# Altium PCB PCB.PcbDoc (continued)
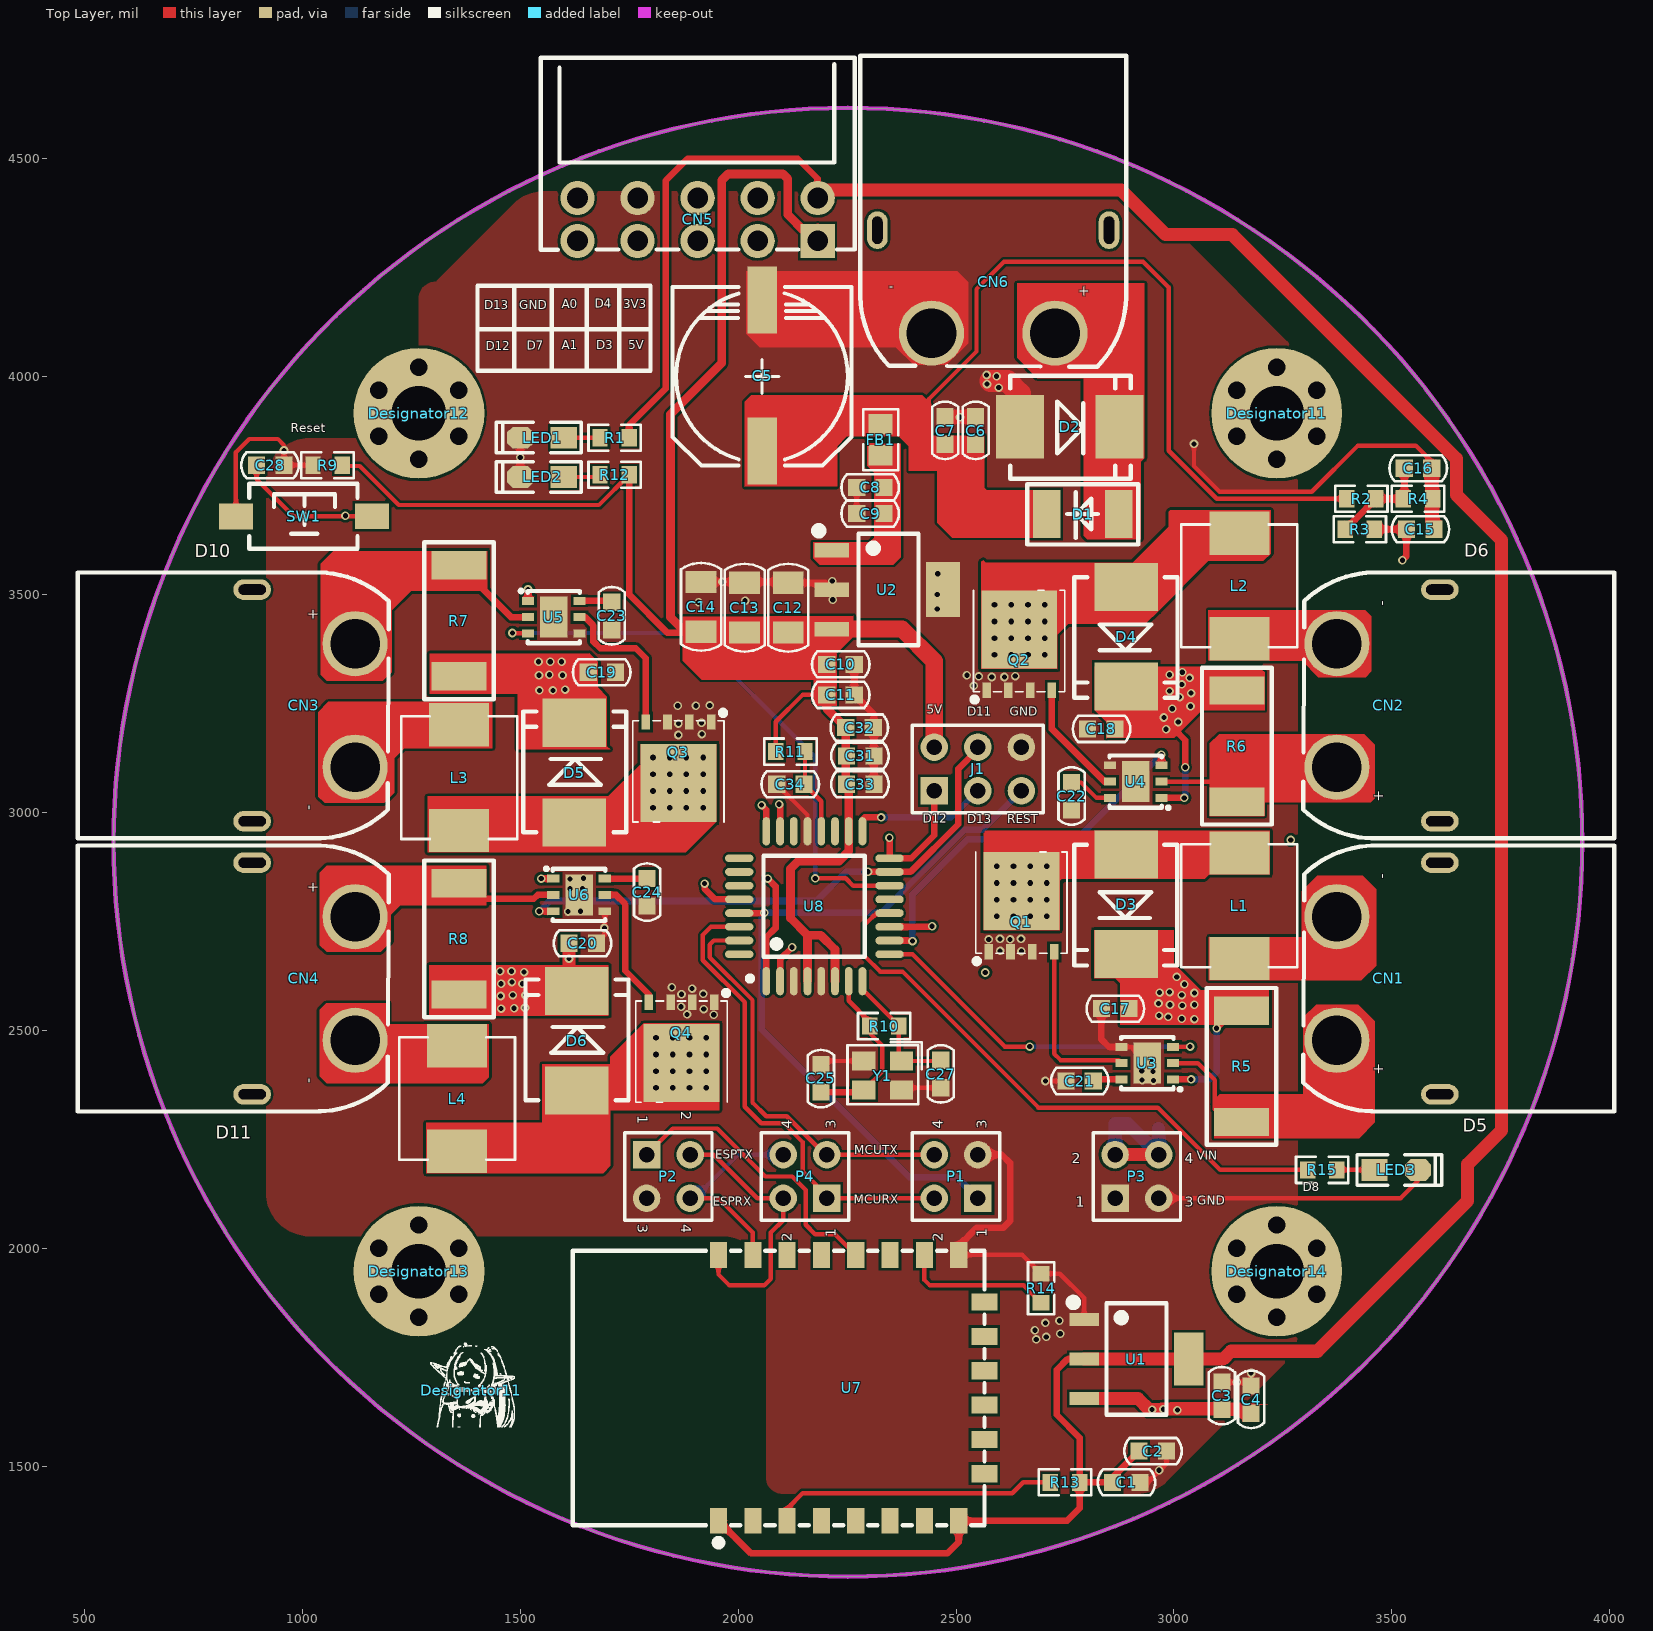
[diagram p0: Top Layer view]
## Components (designator, comment, footprint, x,y, rotation, side; value= is the part's Value field where it differs from the comment) (continued)
R10 "1M" R_0603 2335,2510 r180 top
R11 "1K" R_0603 2120,3140 r180 top
R12 "5K" R_0603 1716.54,3775 r0 top
R13 "1K" R_0603 2750,1463.15 r0 top
R14 "1K" R_0603 2695,1908.46 r270 top
R15 "1K" R_0603 3340,2180 r180 top
SW1 "3x6x5" "TSW SMD-3*6*2.5" 1005,3680 r0 top
U1 "AMS1117-3.3" SOT223_L 2914,1746 r270 top
U2 "DIA7875B50TA3" SOT223_N 2345,3511.5 r270 top
U3 "-" TDFN-6_L3.0-W3.0-P0.95-BL-EP 2939,2425 r90 top
U4 "-" TDFN-6_L3.0-W3.0-P0.95-BL-EP 2912,3071 r90 top
U5 "-" TDFN-6_L3.0-W3.0-P0.95-BL-EP 1576.94,3448.4 r270 top
U6 "-" TDFN-6_L3.0-W3.0-P0.95-BL-EP 1635,2811 r270 top
U7 "2.4GHz" WIRELM-SMD_ESP-12F 2260.12,1679.88 r90 top
U8 "ATMEGA328P-AU" TQFP-32_L7.0-W7.0-P0.80-LS9.0-BL 2175,2785 r0 top
Y1 "8MHz ±10ppm 12pF" SMD-3225-4P 2375,2430 r0 top

## Footprints (in the part's own frame and the unit in brackets; to place one, negate y for a bottom-side part, rotate by r counter-clockwise, add the part's x,y. Pads: shape width x height; smd on the part's side, far side on the other; paste and mask are expansions set on the pad)
9*H11MM [mm]
  rect 1.7x3.9 smd: 1(-0.013,-4.469) 2(-0.013,4.331)
  silkscreen extent -5.21,-5.23 5.22,5.18, body extent -5.15,-5.8 5.15,5.8, height 10.2
C_0603 [mm]
  rect 1x1 smd: 1(-0.8,0) 2(0.8,0)
  silkscreen extent -1.66,-0.76 1.69,0.76, body extent -0.8,-0.41 0.8,0.41, height 0.81
C_1206 [mm]
  rect 1.3x1.8 smd: 1(-1.45,0) 2(1.45,0)
  silkscreen extent -2.56,-1.17 2.56,1.17, body extent -1.6,-0.81 1.6,0.81, height 1.21
CONN-TH_5P-P3.50_JILN_JL15EDGRHC-35005B02 [mm]
  rect 2x2 hole 1.2 paste+0 mask+0.05: 1(-7,1.25)
  round 2 hole 1.2 paste+0 mask+0.05: 2(-7,-1.25) 3(-3.5,1.25) 4(-3.5,-1.25) 5(0,1.25) 6(0,-1.25) 7(3.5,1.25) 8(3.5,-1.25) 9(7,1.25) 10(7,-1.25)
  silkscreen extent -9.15,-9.43 9.15,1.75, body extent -9.15,-9.42 9.16,1.78, height 11
"CONN-TH_XT60PW-M - duplicate" [mm]
  round 3.8 hole 2.9 paste+0 mask+0.05: 1(3,-3.6) 2(3,3.6)
  oval 2.2x1.2 hole 0.6 slot 1.6 at 0 deg paste+0 mask+0.05: 3(-3,6.75) 4(-3,-6.75)
  silkscreen extent -13.17,-7.75 4.96,7.75, body extent -13.15,-7.62 4.95,7.88, height 8.18
FU芙莉连 [mil]
  silkscreen extent -95,-83 100,110
HDR-2X2 [mm] "双排排针，2x2脚"
  rect 1.6x1.6 hole 0.9: 1(0,0)
  round 1.6 hole 0.9: 2(0,2.54) 3(2.54,0) 4(2.54,2.54)
  silkscreen extent -1.27,-1.27 3.81,3.81, body extent -1.27,-1.27 3.81,3.81, height 8.5
HDR-3X2 [mm] "双排排针，3x2脚"
  rect 1.6x1.6 hole 0.9: 1(0,0)
  round 1.6 hole 0.9: 2(0,2.54) 3(2.54,0) 4(2.54,2.54) 5(5.08,0) 6(5.08,2.54)
  silkscreen extent -1.27,-1.27 6.35,3.81, body extent -1.27,-1.27 6.35,3.81, height 8.5
IND-SMD_L7.0-W6.6_FXL0650 [mm]
  rect 2.524x3.5 smd paste+0 mask+0.051: 1(3.078,0) 2(-3.078,0)
  silkscreen extent -3.58,-3.38 3.58,3.38
"LED 0805G" [mil] "绿色0805LED"
  rect 60x50 smd: 1(-50,0)
  oct 60x50 smd: 2(50,0)
  silkscreen extent -90,-35 105,35, body extent -39,-25 39,25, height 32
"M3 125X300" [mil] "M3螺丝孔，孔125Mil，焊盘300Mil"
  round 300 hole 125: 1(0,0)
  round 40 hole 40: 6(-106,0) 7(-53,-91.8) 8(53,-91.8) 9(106,0) 10(53,91.8) 11(-53,91.8)
"R 2512-HP" [mm] "1W高精度贴片电阻"
  rect 1.65x3.2 smd: 1(-3.24,0) 2(3.24,0)
  silkscreen extent -4.57,-2.03 4.57,2.03, body extent -3.2,-1.6 3.2,1.6, height 0.55
R_0603 [mm]
  rect 0.9x1 smd: 1(-0.85,0) 2(0.85,0)
  silkscreen extent -1.52,-0.76 1.52,0.76, body extent -0.8,-0.4 0.8,0.4, height 0.4
R_0805 [mm]
  rect 1.2x1.4 smd: 1(-0.9,0) 2(0.9,0)
  silkscreen extent -1.78,-1.02 1.78,1.02, body extent -1,-0.62 1,0.63, height 0.5
SMA [mil]
  rect 110x63 smd: 1(-5,58) 2(-5,-107)
  silkscreen extent -73,-152 65,103, body extent -58,-116 48,66, height 94
SMC [mm]
  rect 2.8x3.7 smd: 1(-2.946,-0.013) 2(2.854,-0.013)
  silkscreen extent -3.61,-3 3.43,3.01, body extent -3.93,-2.9 3.97,2.9, height 2.45
SMD-3225-4P [mm]
  rect 1.35x1.1 smd: 1(0,0) 2(-2.2,0) 3(-2.2,-1.7) 4(0,-1.7)
  silkscreen extent -3.15,-2.51 1.17,1.09, body extent -2.74,-2.16 0.46,0.34, height 0.8
SOT223_L [mm] "6.4x7x1.6mm(长宽高)"
  rect 0.75x1.7 smd: 1(-2.3,-3.048) 2(0,-3.048) 3(2.3,-3.048)
  rect 3.1x1.7 smd: 2(0,3.048)
  silkscreen extent -3.5,-3.88 3.25,1.75, body extent -3.25,-3.51 3.25,3.51, height 1.65
SOT223_N [mm] "6.4x7x1.6mm(长宽高)"
  rect 0.85x2 smd: 1(-2.3,-3.302) 2(0,-3.302) 3(2.3,-3.302)
  rect 3.2x2 smd: 2(0,3.175)
  silkscreen extent -3.63,-4.26 3.25,1.75, body extent -3.25,-3.51 3.25,3.51, height 1.65
TDFN-6_L3.0-W3.0-P0.95-BL-EP [mm]
  rect 0.46x0.71 smd paste+0 mask+0.051: 1(-0.95,-1.5) 2(0,-1.5) 3(0.95,-1.5) 4(0.95,1.5) 5(0,1.5) 6(-0.95,1.5)
  rect 2.39x1.6 smd paste+0 mask+0.051: 7(0,0)
  silkscreen extent -1.62,-2.01 1.52,1.52
TDSON-8_L5.9-W5.2-P1.27-BL [mm]
  rect 0.5x0.9 smd paste-100 mask+0.05: 1(1.905,-1.775) 3(-1.905,-1.775) 3(-0.635,-1.775) 3(0.635,-1.775)
  rect 4.41x4.55 smd paste-100 mask+0.05: 2(0,1.775)
  rect 4.41x4.55 smd far side paste-100 mask+0.05: 2(0,1.775)
  silkscreen extent -2.75,-2.46 2.66,4.06, body extent -2.79,-1.89 2.79,4.46, height 1.1
TQFP-32_L7.0-W7.0-P0.80-LS9.0-BL [mm]
  oval 0.45x1.65 smd: 1(-2.8,-4.369) 2(-2,-4.369) 3(-1.2,-4.369) 4(-0.4,-4.369) 5(0.4,-4.369) 6(1.2,-4.369) 7(2,-4.369) 8(2.8,-4.369) 17(2.8,4.369) 18(2,4.369) 19(1.2,4.369) 20(0.4,4.369) 21(-0.4,4.369) 22(-1.2,4.369) 23(-2,4.369) 24(-2.8,4.369)
  oval 1.65x0.45 smd: 9(4.381,-2.8) 10(4.381,-2) 11(4.381,-1.2) 12(4.381,-0.4) 13(4.381,0.4) 14(4.381,1.2) 15(4.381,2) 16(4.381,2.8) 25(-4.381,2.8) 26(-4.381,2) 27(-4.381,1.2) 28(-4.381,0.4) 29(-4.381,-0.4) 30(-4.381,-1.2) 31(-4.381,-2) 32(-4.381,-2.8)
  silkscreen extent -3.91,-4.36 2.94,2.95
"TSW SMD-3*6*2.5" [mm] "3*6*2.5mm"
  rect 2x1.5 smd: 1(-3.996,-0.02) 2(3.937,0)
  silkscreen extent -3.21,-1.9 3.09,1.9, body extent -4,-1.88 4,1.62, height 2.59
WIRELM-SMD_ESP-12F [mm]
  rect 1.5x1 smd paste+0 mask+0.05: 1(-7.75,7.75) 2(-7.75,5.75) 3(-7.75,3.75) 4(-7.75,1.75) 5(-7.75,-0.25) 6(-7.75,-2.25) 7(-7.75,-4.25) 8(-7.75,-6.25) 15(7.75,-6.25) 16(7.75,-4.25) 17(7.75,-2.25) 18(7.75,-0.25) 19(7.75,1.75) 20(7.75,3.75) 21(7.75,5.75) 22(7.75,7.75)
  rect 1x1.5 smd paste+0 mask+0.05: 9(-5,-7.75) 10(-3,-7.75) 11(-1,-7.75) 12(1,-7.75) 13(3,-7.75) 14(5,-7.75)
  silkscreen extent -9.22,-7.75 8,16.26, body extent -8,-7.74 8,16.27, height 3.1

## Part data
C1 C2 C3 C4 C6 C7 C8 C9 C10 C11 C12 C13 C14 C15 C16 C34: library part C_, "C_"
C5: library part C_ELEC_330uF,35V,10.0x10.5,CAPXON, "RV331M035G105ETR，贴片电解，330u/35V/±20%/10X10.5"
C17 C18 C19 C20 C21 C22 C23 C24: JLCPCB Part Class="Extended Part", Manufacturer=muRata(村?, Manufacturer Part=GCM188R70J225KE22D, nameAlias=Value, spicePre=C, spiceSymbolName=GCM188R70J225KE22D, Supplier=LCSC, Supplier Part=C126582
C25 C27: library part CAP, "电容", BOM_Manufacturer=STMicroelectronics, spicePre=C
C28 C31 C32 C33: library part C, "无极性贴片电容", 学习资源=www.o
CN1 CN2 CN3 CN4 CN6: Colour=黄?, contact resistance=-, JLCPCB Part Class="Extended Part", LCSC Part Name=AMASS(艾迈斯)航模插头xt60连接Æ, Manufacturer=AMASS(艾迈, Add into BOM=yes, Belt length=-, Brand=°¬Â, Convert to PCB=yes, Datasheet=https://atta.szlcsc.com/upload/public/pdf/source/20240118/44A3DCFF53BE25DC65378AFFB21277A4.pdf, Device=XT60PW-M, FlameRetardantGrade=-, Input=-, InsulationMaterial=-, Interface=-, InterfaceType=公?, Manufacturer Part=XT60PW-M, MaximumCurrent=-, MetalMaterial=-, Model=XT60PW-M, NumberOfUSBHoles=-, Output=-, Power=-, RatedCurrent=-, RatedVoltage=-, RecommendedWireGauge=-, Size=-, specifications=-, Supplier=LCSC, Supplier Footprint=-, Supplier Part=C98732, Symbol=XT60PW-M, Type=卧式, Type1=-
CN5: Color=黑?, Current Rating (Max)=8A, JLCPCB Part Class="Extended Part", LCSC Part Name="2x5P 3.5mm 排数:2", Manufacturer=JILN(锦?, Operating Temperature Range=-40℃~+150?, Soldering Temperature(Max)=-, Voltage Rating (Max)=300V, Add into BOM=yes, Connector Type=板端/, Contact Material=ͭ, Contact Plating=锡, Convert to PCB=yes, Datasheet=https://atta.szlcsc.com/upload/public/pdf/source/20211026/0700CF8471C3BB652331673F467DA963.pdf, Device=JL15EDGRHC-35005B02, Manufacturer Part=JL15EDGRHC-35005B02, Mounting Style=弯?, Number of Pins=10P, Number of PINs Per Row=5, Number of Rows=2, Pitch=3.5mm, Structure=2x5P, Supplier=LCSC, Supplier Footprint=弯插,P=3., Supplier Part=C2908411, Symbol=JL15EDGRHC-35005B02
D1: library part D_M7F,SMAF,MCC, "M7F,二极管/1000V/1A/1.1V/SMAF/-55oC~150oC"
D2: library part SMBJ15CA, BOM_JLCPCB Part Class="Extended Part", BOM_Manufacturer=Jingdao, BOM_Manufacturer Part=SMBJ15CA, BOM_Supplier=LCSC, BOM_Supplier Part=C169449, Contributor=LCSC, spicePre=D, spiceSymbolName=SMBJ15CA
D3 D4 D5 D6: Manufacturer=onsemi(安É, Manufacturer Part=SS34, Contributor=LCSC, spicePre=D, spiceSymbolName=SS34_C154551, Supplier=LCSC, Supplier Part=C154551
FB1: "UPB201209T-101Y-N,磁珠/100Ω/5A/0805,奇力新"
L1 L2 L3 L4: JLCPCB Part Class="Extended Part", Manufacturer=cjiang(长½, Manufacturer Part=FXL0650-8R2-M, Contributor=LCSC, nameAlias=Value, spicePre=L, spiceSymbolName=FXL0650-8R2-M, Supplier=LCSC, Supplier Part=C475529
LED1 LED2 LED3: library part LED-SMD, "贴片LED", 学习资源=www.o
P1 P2 P3 P4: "Header, 2-Pin, Dual row", LatestRevisionDate=17-Jul-2002, LatestRevisionNote="Re-released for DXP Platform.", Publisher="Altium Limited"
Q1 Q2 Q3 Q4: library part 10N65, "CRSM045N04N2Z", 学习资源=www.o, 描述=N沟道
R1 R9 R10 R11 R12 R13 R14 R15: library part RX, "大功率电阻", 学习资源=www.o
R2 R3 R4: library part R_, "贴片电阻"
R5 R6 R7 R8: Manufacturer=Milliohm(毫?, Manufacturer Part=HoJLR2512-3W-120mR-1%, Contributor=lcsc, nameAlias=Value, spicePre=R, spiceSymbolName=HOJLR2512-3W-120MR-1%, Supplier=LCSC, Supplier Part=C2904255
SW1: library part "TSW 3x6", "3x6轻触开关", BOM名称=3x6, 学习资源=www.o
U1: library part AMS1117-3.3_C347222, JLCPCB Part Class="Extended Part", LCSC Part Name="输出:3.3V 电流", Manufacturer=UMW(友台, Operating Temperature=-, Output Current=1A, Output Voltage=3.3V, Power Supply Rejection Ratio (PSRR)=60dB@(120Hz), Voltage - Supply=12V, Voltage Dropout=1.3V@(1A), Add into BOM=yes, Convert to PCB=yes, Datasheet=https://atta.szlcsc.com/upload/public/pdf/source/20241218/BAF0263FA2E44BCD8AF41AA4FA04EFAA.pdf, Device=AMS1117-3.3_C347222, Features=¹ýÁ, Manufacturer Part=AMS1117-3.3, Noise=-, Number of Outputs=1, Output Configuration=正?, Output Type=固?, standby current=-, Supplier=LCSC, Supplier Footprint=SOT-223, Supplier Part=C347222, Symbol=AMS1117-3.3_C347222
U2: library part DIA7875
U3 U4 U5 U6: JLCPCB Part Class="Extended Part", Manufacturer=ADI(亚德诺)/MAX, Manufacturer Part=MAX16819ATT+T, Contributor=LCSC, nameAlias=Value, spicePre=U, spiceSymbolName=MAX16819ATT+T, Supplier=LCSC, Supplier Part=C143371
U7: library part ESP-12F, JLCPCB Part Class="Extended Part", LCSC Part Name="ESP8266 WiFi模组,32Mbit Flash, Í", Manufacturer=DOIT(四博, Operating Temperature=-40℃~+85?, Operating Voltage=3.3V, Output Power=15dBm, Receive  Current=55mA, Send  Current=375mA, Add into BOM=yes, Antenna Type=PCB, Convert to PCB=yes, Datasheet=https://atta.szlcsc.com/upload/public/pdf/source/20240112/4C731B83AC84B82D8ABE33233BB0FED4.pdf, Device=ESP-12F, Manufacturer Part=ESP-12F, Sensitivity=-96dBm, Supplier=LCSC, Supplier Footprint=SMD,24x16mm, Supplier Part=C19949064, Support Interface=IO；UART, Symbol=ESP-12F, Wireless Standard=WIFI4
U8: BOM_LCSC Assembly=Yes, BOM_Manufacturer=MICROCHIP, BOM_Manufacturer Part=ATMEGA328P-AU, BOM_Supplier=LCSC, BOM_Supplier Part=C14877, Contributor=13471635540, SMT Type=Extend, spicePre=U, spiceSymbolName=ATMEGA328P-AU
Y1: library part 晶振4P
J1: BOM_Supplier=LCSC, BOM_Supplier Part=C65114, Contributor=LCEDA_Lib, spicePre=J, spiceSymbolName=HDR-M-2.54_2x3

## Via types
v1: diameter 19.68, hole 11.81, Top Layer to Bottom Layer, tented both sides, 129 vias
v2: diameter 25.98, hole 12.99, Top Layer to Bottom Layer, tented both sides, 64 vias
v3: diameter 19.68, hole 11.81, Top Layer to Bottom Layer, 14 vias

## Nets (pads, with @x,y where several pads share a name; then routed paths per layer and width w, separated by ;. In a path a pad name is that pad's centre, name@x,y a point inside that pad or via, vN(x,y) a via of type N, cw(c..) or ccw(c..) an arc to the next point about the centre after c; other vN are vias at no path point)
A0: CN5.6 U8.23 | length 1531.4
  Top Layer w15: v1(2094,3019) 2096.26,3016.74 U8.23
  Signal Layer 2 w15: CN5.6 1979,4338.01 1979,4174 2094,4059 v1(2094,3019)
A1: CN5.5 U8.24 | length 1419.9
  Top Layer w15: v1(2054,3017) 2064.76,3006.24 U8.24
  Signal Layer 2 w15: CN5.5 1907.01,4180.99 2054,4034 v1(2054,3017)
A2: U8.25
A3: U8.26
A4: U8.27
A5: C15.1 R3.1 U8.28 | length 2707.7
  Top Layer w15: v1(1923,2837) 1923,2825 1947.25,2800.75 U8.28 ; R3.1 C15.1 3533.5,3588.5 v1(3524,3579)
  Signal Layer 1 w15: v1(2567,2633) 2892,2633 3200,2941 v1@3264,2941
  Signal Layer 2 w15: v1(1923,2837) 1923,2751 2041,2633 v1(2567,2633) ; v1@3262,2941 3446,2941 3524,3019 v1(3524,3579)
  other v1: 3268,2937
D3: CN5.3 U8.1 | length 1770.6
  Top Layer w15: U8.1 2064.76,2713.76 2086,2735 2086,2830.5 v1(2068,2848.5)
  Signal Layer 2 w15: CN5.3 2044.8,4166.2 2124,4087 2124,2904 v1@2068.5,2848.5
D4: CN5.4 U8.2 | length 1867.5
  Top Layer w15: U8.2 2096.26,2663.26 v1(2124,2691)
  Signal Layer 2 w15: CN5.4 2110,4344.8 2110,4130.7 2127.37,4113.33 2134.91,4113.33 2150.33,4097.91 2150.33,4076.09 2150.33,2893.09 2145,2887.76 2145,2712 v1(2124,2691)
D5: U3.3 U8.9 | length 816.4
  Top Layer w10: U8.9 2400.24,2674.76 2612,2463 v1(2669,2463) ; U3.3 2998.65,2463 v1(3037,2463)
  Bottom Layer w10: v1(2669,2463) v1(3037,2463)
D6: U4.3 U8.10 | length 888.6
  Top Layer w15: U8.10 2398.74,2706.26 v1(2400,2705) ; U4.3 v1(2971.05,3132.95)
  Bottom Layer w15: v1(2400,2705) 2400,2812 2527,2939 2777.11,2939 v1(2971.05,3132.95)
D7: CN5.7 U8.11 | length 1950.5
  Top Layer w15: U8.11 2443.76,2737.76 v1(2445,2739)
  Signal Layer 1 w15: CN5.7 2371,3709.79 2371,2999 2445,2925 v1(2445,2739)
D8: R15.2 U8.12 | length 1358.9
  Top Layer w10: U8.12 2317.25,2769.25 2291,2743 2291,2670 2326,2635 2377,2635 2689,2323 2963,2323 3106,2180 R15.2
D9: U8.13
D10: U5.3 U8.14 | length 1304.8
  Top Layer w10: v1(1482,3412) 1483,3411 U5.3 ; v1(2177,2849) 2247,2849 2263.76,2832.24 U8.14
  Bottom Layer w10: v1(1482,3412) 1892,3412 2177,3127 v1(2177,2849)
D11: J1.4 U6.3 U8.15 | length 1272
  Top Layer w15: v1(1543.6,2773.6) U6.3 ; v1(2298,2864) 2298.26,2863.74 U8.15 2395.44,2863.74 2505,2973.31 2505,3100 2550,3145 J1.4
  Bottom Layer w15: v1(1543.6,2773.6) 1567,2797 2180,2797 2247,2864 v1(2298,2864)
D12: CN5.9 J1.1 U8.16 | length 1954.5
  Top Layer w15: v1(2347,2942) 2347.5,2941.5 U8.16 2397.24,2895.24 2450,2948 J1.1
  Signal Layer 1 w15: CN5.9 1631.42,4294.58 2294,3632 2294,2969 2321,2942 v1(2347,2942)
D13_SCK: CN5.10 J1.3 U8.17 | length 2041.4
  Top Layer w15: U8.17 2285.24,2983.24 2291,2989 v1(2328,2989)
  Signal Layer 1 w15: CN5.10 1710,4331.42 1710,4267 2344,3633 2344,3005 v1(2328,2989)
  Bottom Layer w15: v1(2328,2989) 2489,2989 J1.3
ESPRXD: P2.4 P4.4 U7.21 | length 482.5
  Top Layer w10: P2.4 1955,2115 2033.74,2036.26 U7.21
  Bottom Layer w10: P2.4 1900,2115 2000,2215 P4.4
ESPTXD: P2.2 P4.2 U7.22 | length 633.3
  Top Layer w10: P2.2 1944,2215 2044,2115 P4.2 2103.5,2064.76 2075,2036.26 2075,1930 2060,1915 1980,1915 1955,1940 U7.22
GND: C1.2 C2.2 C3.2 C4.2 C5.1 C6.2 C7.2 C8.2 C9.2 C10.2 C11.2 C12.2 C13.2 C14.2 C15.2 C16.2 C17.1 C18.1 C19.1 C20.1 C21.1 C22.1 C23.1 C24.1 C25.1 C27.1 C28.1 C31.1 C32.1 C33.1 C34.2 CN5.8 CN6.1 D2.2 J1.6 LED1.2 LED2.2 LED3.2 P1.3 P2.3 P3.1 P3.3 Q1.3 Q2.3 Q3.3 Q4.3 R4.1 R9.1 R14.1 SW1.1 U1.1 U2.2 U3.4 U3.7 U4.4 U4.7 U5.4 U5.7 U6.4 U6.7 U7.15 U8.3 U8.5 U8.21 Y1.2 Y1.4 | length 4463.1
  Top Layer w10: SW1.1 847.69,3826.69 878,3857 944,3857 958,3843 v1(958,3831) C28.1 1023,3797 R9.1@1025,3795 ; C20.1 1694.06,2719.05 U6.4 ; C34.2 2159.25,2994.25 U8.21 ; C25.1 2198.5,2430 Y1.2 ; C9.2 C8.2 ; Y1.4 2380.43,2368.5 C27.1 ; U7.15 2651.93,1985 R14.1 2738.07,1941.93 2794,1886 U1.1 ; v1(2705,2384) C21.1 ; U3.4 2901.6,2462.4 U3.7 ; C1.2 2940.15,1463.15 2982.99,1505.99 C2.2 ; P3.3 3520,2115 3560,2155 LED3.2 ; v1(3046,3846) 3046,3794.63 3104.63,3736 3316,3736 3422,3842 3555,3842 3591.5,3805.5 C16.2 ; C3.2 3168.5,1692.99 C4.2 v1(3177,1714)
  Top Layer w15: LED2.2 v1(1500,3815) LED1.2 ; C14.2 2112.91,3529.17 C12.2 2199.41,3527.09 U2.2@2215,3511.5 ; C10.2 C11.2 2311.5,3225 C31.1 C33.1 ; U7.15 2506.18,2006.18 2547,2047 2608,2047 2624,2063 2624,2196 2605,2215 P1.3 ; C17.1 2833.5,2479.5 2850.6,2462.4 U3.4
  Top Layer w30: C7.2 C6.2 ; C16.2 3591.5,3655 C15.2
  Top Layer w50: 2579,3990 2618,3990 2646.65,3961.35 D2.2
  other v1: 2966,1491 3144.34,1693 2953,2385 2927,2386 2952,2406 2926,2407 2951,2432 1944,2536 1883,2537 1921,2549 1869,2554.5 1870,2583 1920,2584 1894.5,2596 1848,2599 2650,2681.83 2601,2682.69 2575,2709 2624,2709 2600.77,2710 2649,2710 1693,2735 1610,2773 1638,2773.6 1614,2825 1643,2825.58 1614,2847.85 1645,2849.08 1863,3178 1916.82,3180 1863,3204 1916,3206 1861.31,3245 1903,3245 1935,3246 2541,3291 2582,3311 2611,3311 2552.19,3312.44 2636,3313 2525,3315 2509,3907 2598,3975 2571,3983 2593,4001 2570,4004
  other v3: 2683.92,1791 2707,1797 2739,1804 2681,1812 2705,1829 2737,1834 2457,3467 1909.24,3482.5 2016,3486 2217,3488.12 2457,3500 1964,3529.17 2216,3531 2458,3548
GPIO0: P2.1 U7.18 | length 671.8
  Top Layer w10: P2.1 1850,2275 1952,2275 2062,2165 2124,2165 2155,2134 2155,2054 2177,2032 2222.96,2032 U7.18
Light1_PWR: C17.2 C18.2 C19.2 C20.2 CN6.2 D1.1 D2.1 D3.1 D4.1 D5.1 D6.1 P3.2 P3.4 R5.1 R6.1 R7.1 R8.1 U3.1 U4.1 U5.1 U6.1 | length 1363.2
  Top Layer w15: U5.1 v1(1517.89,3511.89) ; v1(1548.4,2848.4) U6.1 ; D6.1@1612.01,2627 1612.01,2608.49 D6.1 ; C18.2 3000.21,3191.79 3026,3166 v1(3026,3104) ; U4.1 v1(3023.6,3033.6) ; U3.1 v1(3039.4,2387.6) ; v1(3098,2505) 3138.12,2545.12 R5.1
  Top Layer w30: D6.1@1612.01,2627 C20.2 ; P3.2 P3.4
  Bottom Layer w15: CN6.2 ccw(c2797.87,4100) CN6.2@2730.92,4076.77 ; v1(3023.6,3033.6) 3026,3036 v1(3026,3104) ; v1(3039.4,2387.6) 3081.6,2387.6 3098,2404 v1(3098,2505) ; CN6.2@2717.33,4072.37 ccw(c2631,4094) 2720,4094 ccw(c2720,4073) 2699,4073 2699,4041 cw(c2735,4041) CN6.2@2717.33,4072.37 ; CN6.2@2717.33,4072.37 cw(c2735,4041) CN6.2@2730.92,4076.77 ; CN6.2@2730.92,4076.77 cw(c2735,4041) 2735,4077 ccw(c2782.86,4077) 2736.77,4064.11 cw(c2797.87,4100) CN6.2@2730.92,4076.77
  Bottom Layer w30: P3.2 2865,2286 2894,2286 P3.4 2965,2274.83
  other v1: 3047,2526 3018,2527 2987,2531 2966,2534 1456,2550 1486,2551 1511,2552 3019,2557 2991,2559 3047,2559 2964.6,2562 1455,2579 1483,2581 1512,2581 3018,2581 3047,2586 2967,2587 2990,2588 3024,2606 1456,2607 1505,2607 1481,2611 3006.5,2623 1509,2634 1454,2636 1480,2636 1612,2665 2982,3191 3010,3207.76 2977,3218 2996,3238 3038,3244 3013,3265 3039.4,3274 2990,3278.5 1544,3280.24 1575,3280.24 1603,3282 3018,3294 3036,3309 1543,3315 1597,3315 1567,3316 2990,3316 3019,3322 1542,3346 1569,3346 1595,3346
MCU_RX: P1.2 P4.1 U8.30 | length 1090.1
  Top Layer w10: U8.30 1937.76,2737.76 1919,2719 1919,2661 2015,2565 2015,2325 2053,2287 2105,2287 2148,2244 2148,2177 2203.5,2121.5 P4.1 P1.2
MCU_TX: P1.4 P4.3 U8.31 | length 940.9
  Top Layer w10: U8.31 1944.26,2706.26 1935,2697 1935,2667.63 2033,2569.63 2033,2334.5 2064.5,2303 2111.63,2303 2199.63,2215 P4.3 P1.4
NetC8_1: C8.1 C9.1 FB1.2 U2.1
NetC16_1: C16.1 R2.1 R3.2 R4.2 | length 233.3
  Top Layer w15: R3.2 3393.46,3650 R2.1 R4.2 3528.5,3721.97 C16.1
NetC21_2: C21.2 U3.6 | length 66.5
  Top Layer w15: C21.2 2818.56,2387.6 U3.6
NetC22_2: C22.2 U4.6 | length 102.6
  Top Layer w10: C22.2 2787.01,3068.99 2822.4,3033.6 U4.6
NetC23_2: C23.2 U5.6 | length 75.9
  Top Layer w15: U5.6 1706.69,3485.8 cw(c1706.69,3482.5) C23.2
NetC24_2: C24.2 U6.6 | length 97
  Top Layer w15: U6.6 1790.91,2848.4 C24.2
NetC34_1: C34.1 R11.1 U8.20 | length 200.1
  Top Layer w10: R11.1 2153.46,3066.97 C34.1 2190.75,3025.75 U8.20
NetCN1_1: CN1.1 L1.1
NetCN1_2: CN1.2 R5.2 U3.2 | length 252.1
  Top Layer w10: U3.2 3055,2425 3094,2386 3094,2319 3123,2290 R5.2
NetCN2_1: CN2.1 L2.1
NetCN2_2: CN2.2 R6.2 U4.2 | length 192.4
  Top Layer w10: U4.2 3083,3071 3129.12,3024.88 R6.2
NetCN3_1: CN3.1 L3.1
NetCN3_2: CN3.2 R7.2 U5.2 | length 207.8
  Top Layer w15: R7.2 1478.59,3448.4 U5.2
NetCN4_1: CN4.1 L4.1
NetCN4_2: CN4.2 R8.2 U6.2 | length 235
  Top Layer w15: R8.2 1395,2802 1531,2802 1540,2811 U6.2
NetD3_2: D3.2 L1.2 Q1.2
  other v2: 2593.33,2761.67 2631.67,2761.67 2670,2761.67 2708.33,2761.67 2593.33,2800 2631.67,2800 2670,2800 2708.33,2800 2593.33,2838.33 2631.67,2838.33 2670,2838.33 2708.33,2838.33 2593.33,2876.67 2631.67,2876.67 2670,2876.67 2708.33,2876.67
NetD4_2: D4.2 L2.2 Q2.2
  other v2: 2588.33,3361.79 2626.66,3361.79 2665,3361.79 2703.33,3361.79 2588.33,3400.12 2626.66,3400.12 2665,3400.12 2703.33,3400.12 2588.33,3438.46 2626.66,3438.46 2665,3438.46 2703.33,3438.46 2588.33,3476.79 2626.66,3476.79 2665,3476.79 2703.33,3476.79
NetD5_2: D5.2 L3.2 Q3.2
  other v2: 1804.67,3011.21 1843,3011.21 1881.34,3011.21 1919.67,3011.21 1804.67,3049.54 1843,3049.54 1881.34,3049.54 1919.67,3049.54 1804.67,3087.88 1843,3087.88 1881.34,3087.88 1919.67,3087.88 1804.67,3126.21 1843,3126.21 1881.34,3126.21 1919.67,3126.21
NetD6_2: D6.2 L4.2 Q4.2
  other v2: 1811.67,2368.21 1850,2368.21 1888.34,2368.21 1926.67,2368.21 1811.67,2406.54 1850,2406.54 1888.34,2406.54 1926.67,2406.54 1811.67,2444.88 1850,2444.88 1888.34,2444.88 1926.67,2444.88 1811.67,2483.21 1850,2483.21 1888.34,2483.21 1926.67,2483.21
NetLED1_1: LED1.1 R1.1 | length 83.1
  Top Layer w10: LED1.1 R1.1
NetLED2_1: LED2.1 R12.1 | length 85.1
  Top Layer w10: LED2.1 1678.07,3770 R12.1
NetLED3_1: LED3.1 R15.1 | length 86.5
  Top Layer w10: R15.1 LED3.1
NetQ1_1: Q1.1 U3.5 | length 397.4
  Top Layer w10: Q1.1 2725,2446.53 2739.54,2432 2872.95,2432 U3.5
NetQ2_1: Q2.1 U4.5 | length 271.6
  Top Layer w15: Q2.1 2720,3191.46 2840.46,3071 U4.5
NetQ3_1: Q3.1 U5.5 | length 358.7
  Top Layer w15: U5.5 1648.6,3448.4 1668,3429 1668,3392.5 1683.5,3377 1765,3377 1788,3354 Q3.1
NetQ4_1: Q4.1 U6.5 | length 303.3
  Top Layer w15: U6.5 1720,2811 1741,2790 1741,2637 1795,2583 Q4.1
NetR13_1: R13.1 U7.3 | length 656.9
  Top Layer w10: U7.3 2112.48,1402.48 2148,1438 2629,1438 2654.15,1463.15 R13.1
NetR14_2: R14.2 U7.16 | length 346.8
  Top Layer w10: U7.16 2427.44,1927.56 2440,1915 2655,1915 R14.2
OSC_IN: C27.2 R10.1 U8.8 Y1.1 | length 310.8
  Top Layer w10: U8.8 2285.24,2594.76 2368.46,2511.54 R10.1 2368.46,2436.54 Y1.1 2463.5,2430 C27.2
OSC_OUT: C25.2 R10.2 U8.7 Y1.3 | length 399.9
  Top Layer w10: U8.7 2253.74,2568.26 2301.54,2520.46 R10.2 2301.54,2494.46 2331,2465 2331,2405.69 Y1.3
  Top Layer w15: C25.2 2283.82,2358.5 Y1.3
REST: C28.2 J1.5 P1.1 SW1.2 U8.29 | length 3716.7
  Top Layer w10: C28.2 895.01,3764.99 980,3680 SW1.2
  Top Layer w15: U8.29 2059.25,2769.25 v1(2060,2770)
  Signal Layer 2 w10: v1(1099,3681) 1756,3681 2030,3407 2030,2800 v1(2060,2770)
  Bottom Layer w15: P1.1 2502,2163 2393,2163 2054,2502 2054,2764 v1(2060,2770) 2328.3,2770 2518.3,2960 2560,2960 J1.5
Sys_VIN: C5.2 C6.1 C7.1 D1.2 FB1.1 R2.2 | length 1633.2
  Top Layer w10: 2437,3934 2437,3948 2547,4058 2547,4201 2610,4264 2929,4264 2988,4205 2988,3830 3098,3720 R2.2
VCC3V3: C1.1 C2.1 CN5.2 R1.2 R13.2 U1.2 U7.1 U7.8 | length 7108.3
  Top Layer w15: R1.2 1750,3889 1834,3973 1834,4450 1884,4500 2137,4500 2182.6,4454.4 CN5.2 ; U7.1 2029.76,1300 2480,1300 2506.18,1326.18 U7.8 2754.76,1374.76 2783.46,1403.46 R13.2 C1.1 2859,1474 C2.1 ; R13.2@2783.46,1465 2783.46,1565.54 2731,1618 2731,1721 2756,1746 U1.2@2794,1746
  Top Layer w30: CN5.2 2200.6,4428 2879,4428 2981,4326 3134,4326 3648,3812 3648,3729 3752,3625 3752,2271 3674,2193 3674,2109 3329,1764 3131,1764 3113,1746 3034,1746 U1.2@2794,1746
VCC_5V: C3.1 C4.1 C10.1 C11.1 C12.1 C13.1 C14.1 C31.2 C32.2 C33.2 CN5.1 J1.2 R9.2 R11.2 R12.2 U1.3 U2.3 U8.4 U8.6 U8.18 | length 7118.8
  Top Layer w10: R9.2@1091.93,3795 1132,3795 1221.5,3705.5 1680.5,3705.5 R12.2 ; R11.2 2086.54,3208.54 2148,3270 C11.1
  Top Layer w15: R12.2 1750,3500 1837.09,3412.91 C13.1 C12.1 2123.04,3420.95 U2.3
  Top Layer w20: C14.1 1878,3415 1845,3448 1845,3914 1962.38,4031.38 1962.38,4450.75 1977,4465.37 2102.63,4465.37 2114,4454 2114,4372 2152,4334 2175.21,4334 2182.6,4341.4 CN5.1 ; U8.4 2159.25,2718.75 ; C11.1 2203.5,3238.5 C32.2 2247.01,3066.5 C33.2 2253.74,3059.76 U8.18 2253.74,2910.98 2231.76,2889 2138,2889 2120,2871 2120,2758 2159.25,2718.75 ; U8.6 2222.24,2685.76 2189.25,2718.75 2159.25,2718.75 ; C4.1@3170,1620 C4.1@3181,1620
  Top Layer w30: U1.3 2917.55,1655.45 2943,1630 2995,1632 3097,1632 C4.1@3180,1630
  Top Layer w39.37: U2.3 2376.05,3420.95 2450,3347 J1.2
  Signal Layer 2 w39.37: J1.2 2528,3228 2725,3228 2801,3152 2801,1733 2905,1629 v1(3008,1629)
  other v1: 2950,1630 2976,1631
Wake_UP: U8.32
pads on no net: CN1.3 CN1.4 CN2.3 CN2.4 CN3.3 CN3.4 CN4.3 CN4.4 CN6.3 CN6.4 Designator11.1 Designator11.6 Designator11.7 Designator11.8 Designator11.9 Designator11.10 Designator11.11 Designator12.1 Designator12.6 Designator12.7 Designator12.8 Designator12.9 Designator12.10 Designator12.11 Designator13.1 Designator13.6 Designator13.7 Designator13.8 Designator13.9 Designator13.10 Designator13.11 Designator14.1 Designator14.6 Designator14.7 Designator14.8 Designator14.9 Designator14.10 Designator14.11 U7.2 U7.4 U7.5 U7.6 U7.7 U7.9 U7.10 U7.11 U7.12 U7.13 U7.14 U7.17 U7.19 U7.20 U8.19 U8.22

## Polygon pours and split planes (outlines as drawn)
GND on Signal Layer 1 "Signal Layer 1-GND" (solid, pour order 8): 1308,4220 1483.71,4395.71 cw(c1554.42,4325) 1554.42,4425 2874.58,4425 cw(c2874.58,4325) 2945.29,4395.71 3254.71,4086.29 cw(c3184,4015.58) 3284,4015.58 3284,1807.42 cw(c3184,1807.42) 3254.71,1736.71 2984.29,1466.29 cw(c2913.58,1537) 2913.58,1437 2102,1437 cw(c2102,1475) 2064,1475 2064,1928 ccw(c1964,1928) 1964,2028 1017,2028 cw(c1017,2128) 917,2128 917,3759 cw(c1017,3759) 1017,3859 1167,3859 ccw(c1167,3959) 1267,3959 1267,4179 cw(c1306,4179) 1306,4218 1308,4218
no net on Signal Layer 1 "Signal Layer 1-No Net" (solid, pour order 6): 1649,4104
Light1_PWR on Bottom Layer "Bottom Layer-Light1_PWR" (solid, pour order 4): 2911,4195 cw(c2911,4095) 3011,4095 3011,3650 ccw(c3111,3650) 3111,3550 3160,3550 cw(c3160,3489) 3221,3489 3221,2321.11 cw(c3158,2321) 3158,2258 1265,2258 cw(c1265,2312) 1211,2312 1211,3648 cw(c1291,3648) 1291,3728 2129,3728 ccw(c2129,3828) 2229,3828 2229,4171 cw(c2253,4171) 2253,4195
GND on Top Layer "Signal Layer 1-GND" (solid, pour order 10): 1308,4220 1483.71,4395.71 cw(c1554.42,4325) 1554.42,4425 2874.58,4425 cw(c2874.58,4325) 2945.29,4395.71 3254.71,4086.29 cw(c3184,4015.58) 3284,4015.58 3284,1807.42 cw(c3184,1807.42) 3254.71,1736.71 2984.29,1466.29 cw(c2913.58,1537) 2913.58,1437 2102,1437 cw(c2102,1475) 2064,1475 2064,1928 ccw(c1964,1928) 1964,2028 1017,2028 cw(c1017,2128) 917,2128 917,3759 cw(c1017,3759) 1017,3859 1167,3859 ccw(c1167,3959) 1267,3959 1267,4179 cw(c1306,4179) 1306,4218 1308,4218

## Keep-outs
Keep-Out Layer:
  circle w10: c2251.89,2931.89 r1685

## Other copper
Top Layer:
  region net GND: 2019,4099 2050,4068 2362,4068 2403,4027 2478,4027 2528,4077 2528,4217 2503,4242 2019,4242
  region net NetD5_2: 1776,3157 1776,3111.13 1699,3034.13 1699,2909 1880,2909 1950,2979 1950,3157
  region net NetD6_2: 1551,2422 1707,2422 1707,2440 1783,2516 1957,2516 1957,2317 1706,2317
  region net VCC_5V: 1873,3448.97 1873,3348 1916,3305 2173,3305 2173,3253 2181,3245 2226,3245 2226,3363 2225,3364 2264,3403 2264,3451.02
  region net NetD6_2: 1284,2288 1284,2172 1690,2172 1707,2189 1707,2422 1551,2422 1551,2288
  region net NetCN4_1: 1428,2514 1428,2393 1414,2379 1056,2379 1040,2395 1040,2547 1055,2562 1198,2562 1198,2514
  region net Light1_PWR: 1291,2650 1701.87,2650 1701.87,2534 1291,2534
  region net NetCN4_2: 1422,2878 1056,2878 1040,2862 1040,2696 1055.88,2680.12 1180.12,2680.12 1203,2703 1203,2765 1225,2787 1422,2787
  region net NetD5_2: 1288,2909 1288,3037 1701.87,3037 1702.5,3036.37 1702.5,2909
  region net NetCN3_1: 1036.63,3230.63 1060,3254 1436,3254 1436,3148 1234,3148 1211,3125 1211,3045 1188,3022 1051,3022 1036.63,3036.37
  region net Light1_PWR: 1292,3364.51 1292,3272 1494,3272 1494,3145 1706,3145 1699,3152 1699,3266 1678,3287 1678,3346 1658.53,3365.47
  region net NetCN3_2: 1424,3509 1424,3600 1071,3600 1042,3571 1042,3316 1056,3302 1185,3302 1205,3322 1205,3464 1250,3509
  region net NetC8_1: 2296,3848.03 2296,3796 2312,3780 2312,3631 2301,3620 2172,3620 2172,3584 2187,3569 2356,3569 2373,3586 2373,3846.23
  region net Sys_VIN: 2015,3747.49 2015,3943 2030,3958 2423,3958 2443.55,3937.45 2443.55,3865 2564,3865 2565.27,3863.73 2565.27,3784 2460,3784 2392,3784 2392,3840 2368.86,3863.14 2249.14,3863.14 2227,3841 2227,3748.53
  region net Sys_VIN: 2457,3863.14 2564.14,3863.14 2565,3864 2565.27,3744.73 2570,3740 2738,3740 2738,3630 2737,3631 2491,3631 2457,3665 2457,3824
  region net Light1_PWR: 2640,4214 2640,4043 2686,3997 2793,3997 2793,3635 2801,3627 2924,3627 2924,3805 2932,3813 2932,4214
  region net NetD4_2: 2558,3330 2558,3575 2562,3579 2568,3573 2905,3573 2905,3522.6 2964.6,3463 2934.6,3433 2757,3433 2732,3408 2732,3329
  region net NetD4_2: 3222,3694 3222,3594 3205.4,3577.4 3079,3577.4 2964.6,3463 2822,3463 2817,3468 2818,3469 2818,3573 2905,3573 2988,3656 2988,3690 2992,3694
  region net NetCN2_1: 3079,3349.01 3079,3464 3439,3464 3453,3450 3453,3324.44 3439.56,3311 3331,3311 3294,3348 3219,3348
  region net NetCN2_2: 3082,2992 3082,3158.5 3103.5,3180 3437,3180 3461,3156 3461,3033 3452,3024 3208,3024 3208,2993 3207,2992
  region net NetCN1_2: 3092,2340 3092,2253 3425,2253 3461,2289 3461,2521 3423,2559 3326,2559 3297,2530 3297,2353.5 3105.5,2353.5
  region net NetD3_2: 2563,2730 2563,2952.76 2568.24,2958 2818,2958 2818,2848 2743,2848 2738,2843 2738,2730
  region net NetD3_2: 2818,2958 2818,2848 3071,2848 3081,2858 3220,2858 3220,2958
  region net NetCN1_1: 3081,2715 3080,2714 3080,2615 3430,2615 3464,2649 3464,2824 3433,2855 3329,2855 3293,2819 3293,2714
  region net Light1_PWR: 2818,3335 2818,3235 2845,3208 2845,3171 2846,3170 2848,3172 3001,3172 3064,3235 3208,3235 3208,3322 3202,3328 3195,3335
  region net Light1_PWR: 2817,2730 2817,2620 2865,2620 2877,2608 2877,2513 3091,2513 3092,2512 3093,2513 3218,2513 3218,2592 3062,2592 3000,2654 3000,2730

## Silkscreen, mask and mechanical layers (free items; w line width, h text height)
Top Overlay:
  lines w10: 1402,4109 1798,4109 ; 1486,4015 1486,4207 ; 1572,4016 1572,4208 ; 1653,4014 1653,4206 ; 1727,4014 1727,4206 ; 1402,4014 1799,4014 1799,4209 1402,4209 1402,4014
  text "D4" at 1671,4151 h35
  text "A0" at 1595,4150 h35
  text "3V3" at 1736,4150 h35
  text "D13" at 1418,4148 h35
  text "GND" at 1498,4148 h35
  text "A1" at 1595,4056 h35
  text "D3" at 1675,4056 h35
  text "5V" at 1748,4056 h35
  text "D7" at 1515,4055 h35
  text "D12" at 1421,4054 h35
  text "Reset" at 973,3866 h35
  text "D6" at 3666,3577 h50
  text "D10" at 753,3575 h50
  text "5V" at 2433,3220 h35
  text "D11" at 2526,3215 h35
  text "GND" at 2623,3215 h35
  text "D12" at 2424,2970 h35
  text "REST" at 2618,2969 h35
  text "D13" at 2526,2968 h35
  text "D5" at 3663,2257 h50
  text "D11" at 801,2241 h50
  text "MCUTX" at 2266,2209 h35
  text "ESPTX" at 1947,2199 h35
  text "VIN" at 3052,2196 h35
  text "D8" at 3295,2124 h35
  text "MCURX" at 2265,2095 h35
  text "GND" at 3053,2093 h35
  text "ESPRX" at 1942,2091 h35

## Text inside footprints (layer, text, board x,y; h text height)
CN1: Top Overlay "+" at 3460,2424.25 h23.62 r270; Top Overlay "-" at 3470,2859.25 h23.62 r270
CN2: Top Overlay "+" at 3460,3050.75 h23.62 r270; Top Overlay "-" at 3470,3485.75 h23.62 r270
CN3: Top Overlay "+" at 1035,3440.75 h23.62 r90; Top Overlay "-" at 1025,3005.75 h23.62 r90
CN4: Top Overlay "+" at 1035,2814.25 h23.62 r90; Top Overlay "-" at 1025,2379.25 h23.62 r90
CN6: Top Overlay "-" at 2345.28,4196.21 h23.62; Top Overlay "+" at 2780.28,4186.22 h23.62
P1: Top Overlay "1" at 2570,2025 h23.62 r90; Top Overlay "2" at 2470,2015 h23.62 r90; Top Overlay "4" at 2470,2275 h23.62 r90; Top Overlay "3" at 2570,2275 h23.62 r90
P2: Top Overlay "1" at 1770,2305 h23.62 r270; Top Overlay "2" at 1870,2315 h23.62 r270; Top Overlay "4" at 1870,2055 h23.62 r270; Top Overlay "3" at 1770,2055 h23.62 r270
P3: Top Overlay "3" at 3025,2095 h23.62; Top Overlay "4" at 3025,2195 h23.62; Top Overlay "2" at 2765,2195 h23.62; Top Overlay "1" at 2775,2095 h23.62
P4: Top Overlay "1" at 2223.5,2025 h23.62 r90; Top Overlay "2" at 2123.5,2015 h23.62 r90; Top Overlay "4" at 2123.5,2275 h23.62 r90; Top Overlay "3" at 2223.5,2275 h23.62 r90